# Altium PCB Board.PcbDoc (part 3 of 15) (continued)
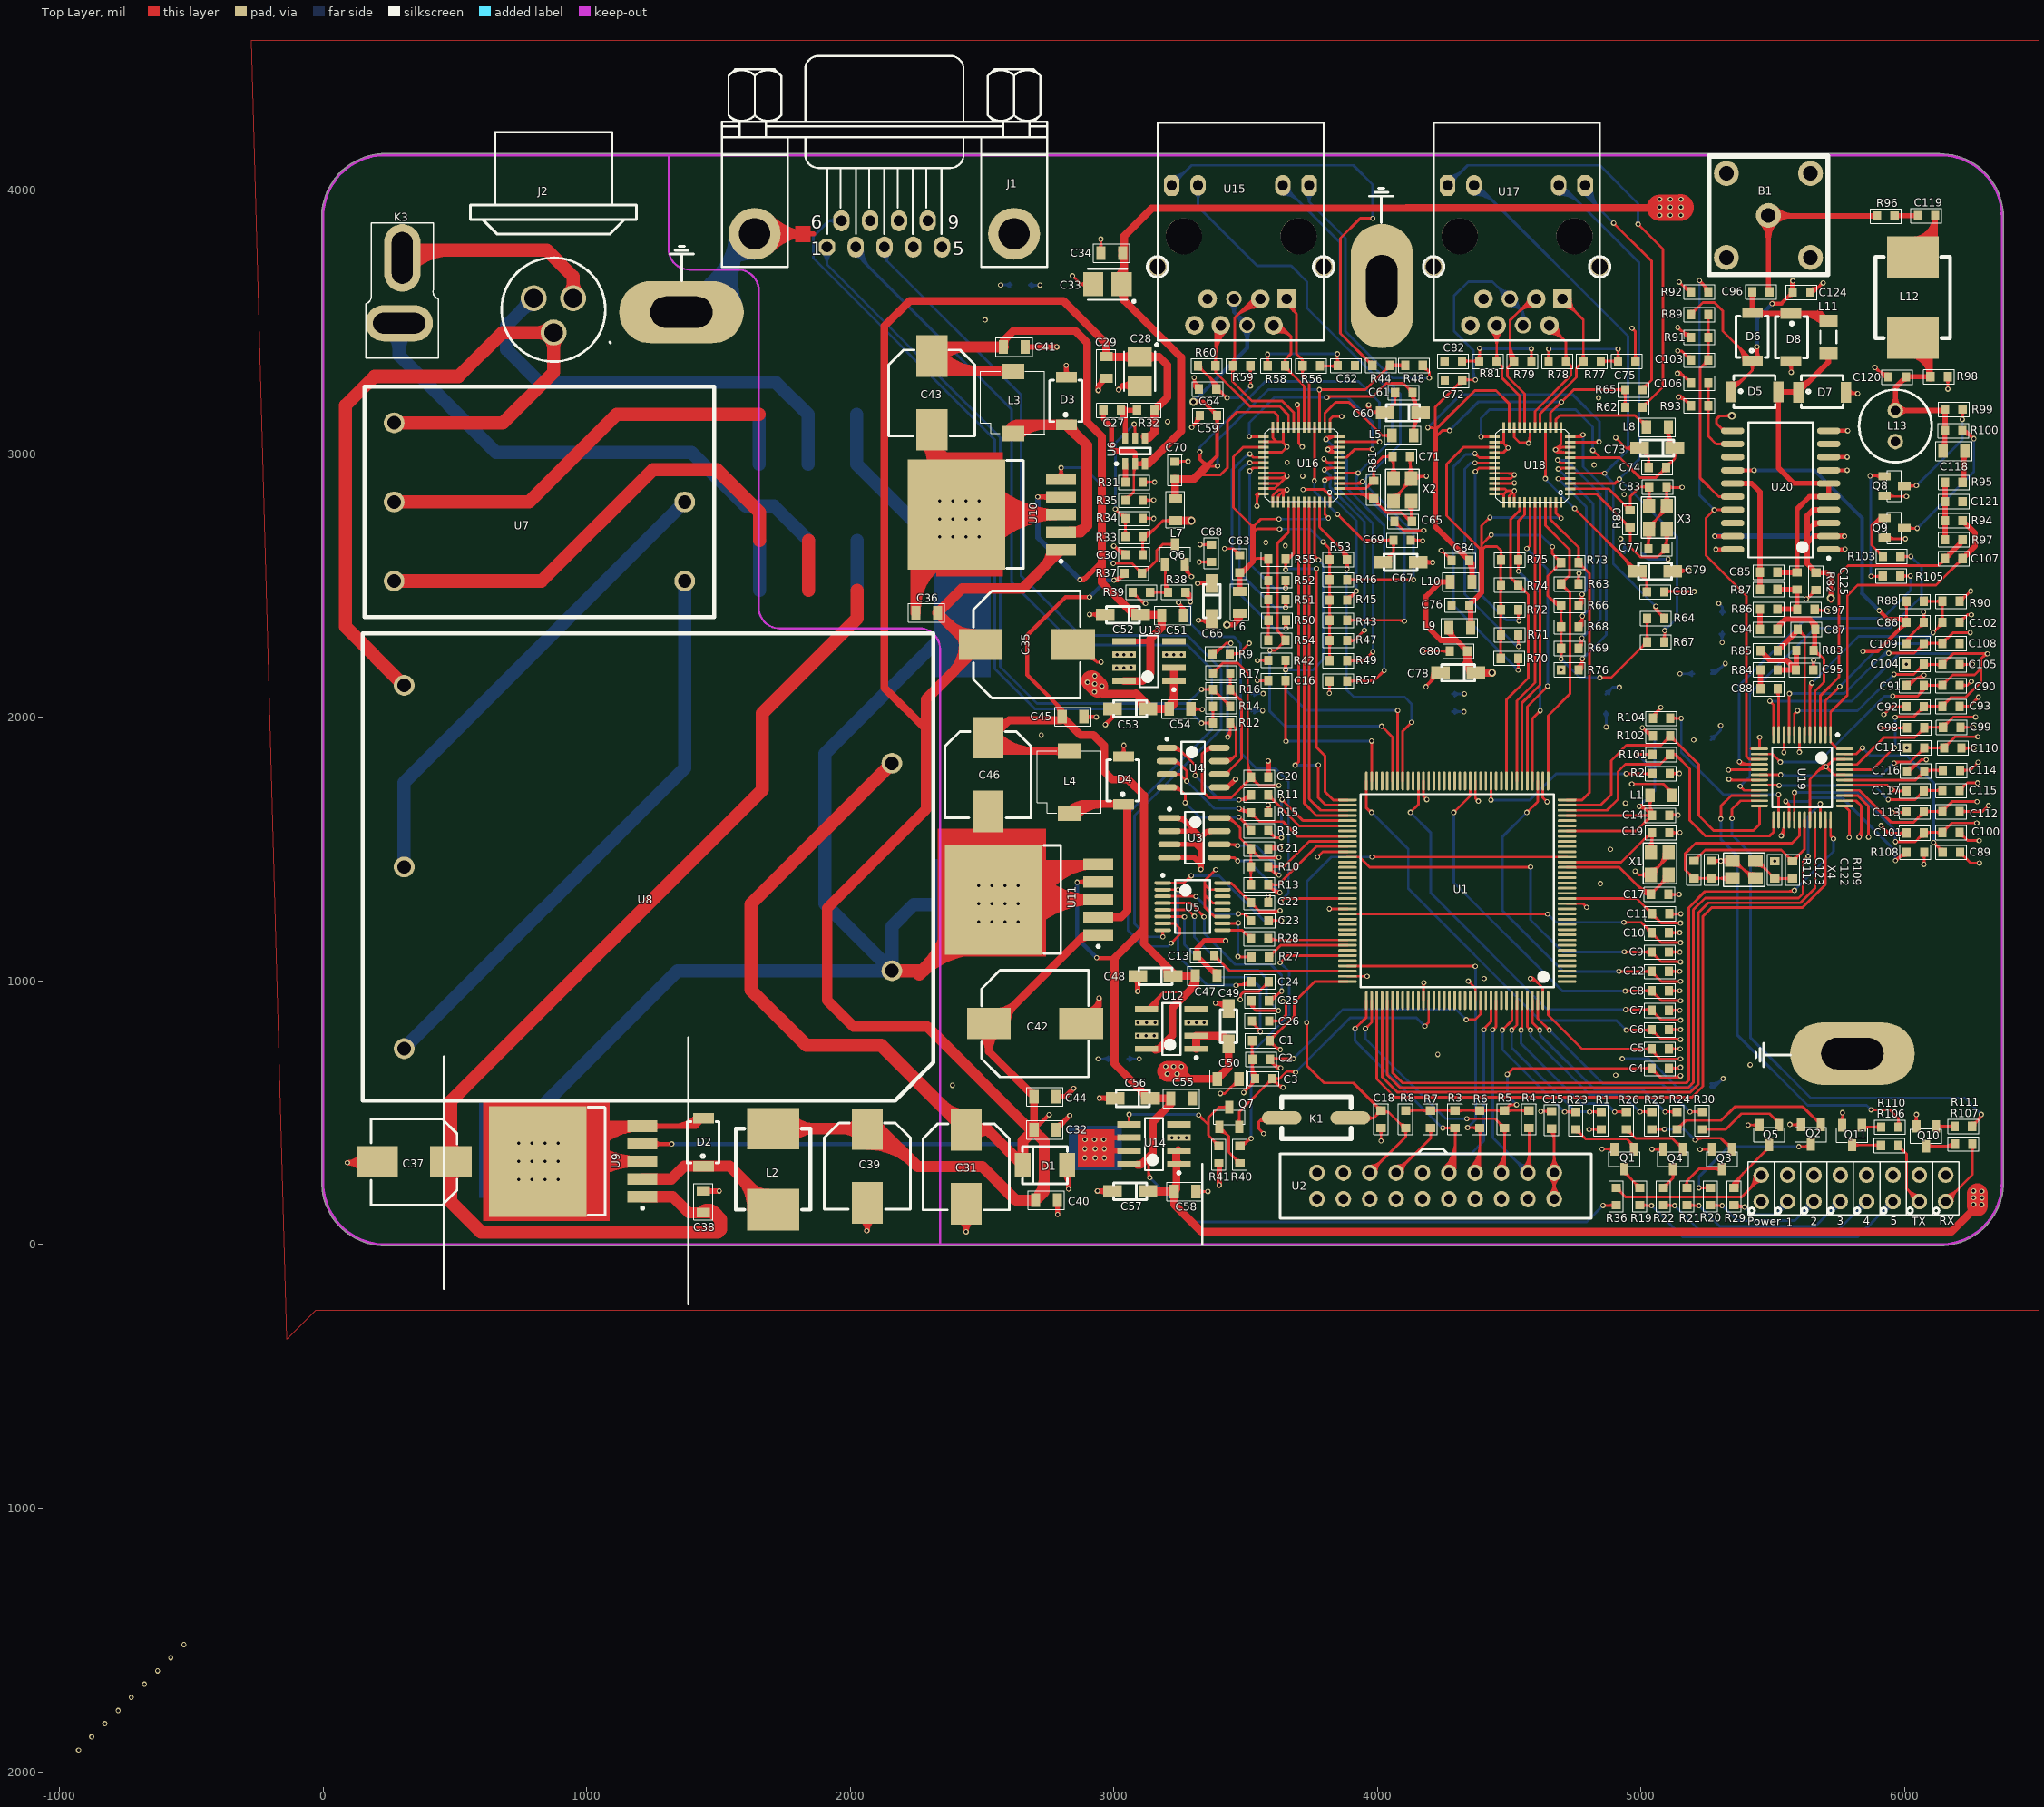
[diagram p0: Top Layer view]
## Nets (pads, with @x,y where several pads share a name; then routed paths per layer and width w, separated by ;. In a path a pad name is that pad's centre, name@x,y a point inside that pad or via, vN(x,y) a via of type N, cw(c..) or ccw(c..) an arc to the next point about the centre after c; other vN are vias at no path point) (continued)
  Top Layer w30: U6.3@3118,2962.22 3131.37,2962.22 3255.6,3086.45 3255.6,3365.45 3038.6,3582.45 3038.6,3826.45 3143.6,3931.45 v1@5070.6,3933.45 ; C33.2@3013.06,3666.87 ccw(c2951.41,3728.52) 3038.6,3728.52 ; C33.2@3013.06,3666.87 ccw(c2951.41,3728.52) 3038.6,3728.52 ; C33.2@3013.06,3666.87 ccw(c2951.41,3728.52) 3038.6,3728.52 ; C33.2@3018.3,3616.08 cw(c2999.34,3581.71) 3038.6,3581.71 ; C33.2@3018.3,3616.08 cw(c2999.34,3581.71) 3038.6,3581.71 ; C33.2@3018.3,3616.08 cw(c2999.34,3581.71) 3038.6,3581.71 ; C34.2@3031.35,3751.65 cw(c3013.87,3734.17) 3038.6,3734.17 ; C34.2@3031.35,3751.65 cw(c3013.87,3734.17) 3038.6,3734.17 ; C34.2@3031.35,3751.65 cw(c3013.87,3734.17) 3038.6,3734.17 ; C34.2@3031.35,3771.24 ccw(c3013.87,3788.73) 3038.6,3788.73 ; C34.2@3031.35,3771.24 ccw(c3013.87,3788.73) 3038.6,3788.73 ; C34.2@3031.35,3771.24 ccw(c3013.87,3788.73) 3038.6,3788.73 ; U6.3@3118,2967.89 ccw(c3118,3013.86) 3150.5,2981.35 ; U6.3@3118,2967.89 ccw(c3118,3013.86) 3150.5,2981.35 ; U6.3@3118,2967.89 ccw(c3118,3013.86) 3150.5,2981.35
  Top Layer w100: v1@5070.6,3933.45 5148.6,3933.45 v1@5149.6,3934.45
  Bottom Layer w10: C.1@5003.6,2610.73 cw(c5003.6,2580.03) 5025.31,2601.74 ; C.1@5003.6,2623.45 5026.6,2600.45 v1(5102.6,2600.45) ; C.1@5014.35,2621.48 ccw(c5035.54,2621.48) 5020.55,2606.49 ; v1@5099.06,2596.91 ccw(c5090.53,2588.38) 5090.53,2600.45 ccw(c5090.53,2612.52) v1@5099.06,2603.98 ; v1@5294.6,2427.45 cw(c5294.6,2415.38) 5303.13,2423.91 cw(c5311.67,2432.45) v1@5299.6,2432.45 ; v1(5294.6,2432.45) 5308.6,2418.45 C.1@5308.6,2390.45 ; C.1@5301,2398.05 ccw(c5282.65,2416.4) 5308.6,2416.4 ccw(c5334.55,2416.4) C.1@5316.2,2398.05
  Bottom Layer w15: v1(5439.6,3406.45) 5439.6,3511.45 v1(5497.6,3569.45)
  Bottom Layer w20: v1(5279.6,2687.45) v1(5771.6,2687.45)
  other v1: 5070.6,3905.45 5110.6,3905.45 5151.6,3905.45 5070.6,3935.45 5110.6,3935.45 5151.6,3935.45 5070.6,3965.45 5110.6,3965.45 5151.6,3965.45
  other v2: 5719.6,2452.45
AGC_0: R103.2 U19.21 | length 1809
  Top Layer w10: v1(5375.6,1738.45) 5390.81,1723.24 U19.21@5449.18,1723.24 ; R103.2@5983.6,2610.45 v1(6023.6,2610.45) ; v1@5375.6,1733.45 cw(c5375.6,1721.38) 5384.13,1729.91 ; v1@5375.6,1733.45 cw(c5375.6,1721.38) 5384.13,1729.91 ; v1@5375.6,1733.45 cw(c5375.6,1721.38) 5384.13,1729.91 ; v1@5380.6,1738.45 ccw(c5392.67,1738.45) 5384.13,1729.91 ; v1@5380.6,1738.45 ccw(c5392.67,1738.45) 5384.13,1729.91 ; v1@5380.6,1738.45 ccw(c5392.67,1738.45) 5384.13,1729.91 ; R103.2@5991.2,2602.85 cw(c6009.55,2584.5) 6009.55,2610.45 ; R103.2@5991.2,2602.85 cw(c6009.55,2584.5) 6009.55,2610.45 ; R103.2@5991.2,2602.85 cw(c6009.55,2584.5) 6009.55,2610.45 ; R103.2@5991.2,2618.05 ccw(c6009.55,2636.4) 6009.55,2610.45 ; R103.2@5991.2,2618.05 ccw(c6009.55,2636.4) 6009.55,2610.45 ; R103.2@5991.2,2618.05 ccw(c6009.55,2636.4) 6009.55,2610.45 ; 6011.53,2610.45 cw(c6011.53,2598.38) v1@6020.06,2606.91 ; 6011.53,2610.45 ccw(c6011.53,2622.52) v1@6020.06,2613.98 ; 6011.53,2610.45 cw(c6011.53,2598.38) v1@6020.06,2606.91 ; 6011.53,2610.45 ccw(c6011.53,2622.52) v1@6020.06,2613.98 ; 6011.53,2610.45 ccw(c6011.53,2622.52) v1@6020.06,2613.98 ; 6011.53,2610.45 cw(c6011.53,2598.38) v1@6020.06,2606.91
  Bottom Layer w10: v1(5375.6,1738.45) 5412.6,1775.45 5412.6,2090.45 5661.6,2339.45 5944.6,2339.45 6063.6,2458.45 6063.6,2570.45 v1(6023.6,2610.45) ; v1@5375.6,1743.45 ccw(c5375.6,1755.52) 5384.13,1746.98 ; v1@5375.6,1743.45 ccw(c5375.6,1755.52) 5384.13,1746.98 ; v1@5375.6,1743.45 ccw(c5375.6,1755.52) 5384.13,1746.98 ; v1@5380.6,1738.45 cw(c5392.67,1738.45) 5384.13,1746.98 ; v1@5380.6,1738.45 cw(c5392.67,1738.45) 5384.13,1746.98 ; v1@5380.6,1738.45 cw(c5392.67,1738.45) 5384.13,1746.98 ; v1@6023.6,2605.45 cw(c6023.6,2593.38) 6032.13,2601.91 ; v1@6023.6,2605.45 cw(c6023.6,2593.38) 6032.13,2601.91 ; v1@6023.6,2605.45 cw(c6023.6,2593.38) 6032.13,2601.91 ; v1@6028.6,2610.45 ccw(c6040.67,2610.45) 6032.13,2601.91 ; v1@6028.6,2610.45 ccw(c6040.67,2610.45) 6032.13,2601.91 ; v1@6028.6,2610.45 ccw(c6040.67,2610.45) 6032.13,2601.91
AGC_1: R105.2 U19.16 | length 1679.6
  Top Layer w10: v1@5372.6,1826.45 cw(c5372.6,1814.38) 5381.13,1822.91 cw(c5389.67,1831.45) v1@5377.6,1831.45 ; v1(5372.6,1831.45) 5382.39,1821.66 U19.16@5449.18,1821.66 ; R105.2@5982.6,2536.45 v1(6021.6,2536.45) ; R105.2@5990.2,2528.85 cw(c6008.55,2510.5) 6008.55,2536.45 ; R105.2@5990.2,2528.85 cw(c6008.55,2510.5) 6008.55,2536.45 ; R105.2@5990.2,2528.85 cw(c6008.55,2510.5) 6008.55,2536.45 ; R105.2@5990.2,2544.05 ccw(c6008.55,2562.4) 6008.55,2536.45 ; R105.2@5990.2,2544.05 ccw(c6008.55,2562.4) 6008.55,2536.45 ; R105.2@5990.2,2544.05 ccw(c6008.55,2562.4) 6008.55,2536.45 ; 6009.53,2536.45 cw(c6009.53,2524.38) v1@6018.06,2532.91 ; 6009.53,2536.45 ccw(c6009.53,2548.52) v1@6018.06,2539.98 ; 6009.53,2536.45 cw(c6009.53,2524.38) v1@6018.06,2532.91 ; 6009.53,2536.45 ccw(c6009.53,2548.52) v1@6018.06,2539.98 ; 6009.53,2536.45 ccw(c6009.53,2548.52) v1@6018.06,2539.98 ; 6009.53,2536.45 cw(c6009.53,2524.38) v1@6018.06,2532.91 ; v1@5369.06,1827.91 ccw(c5384.16,1843.01) 5384.16,1821.66 cw(c5384.16,1843.01) v1@5369.06,1827.91 ; v1@5376.13,1834.98 ccw(c5408.3,1867.15) 5408.3,1821.66 cw(c5408.3,1867.15) v1@5376.13,1834.98
  Bottom Layer w10: v1(5372.6,1831.45) 5372.6,2121.45 5627.6,2376.45 5916.6,2376.45 6021.6,2481.45 v1(6021.6,2536.45) ; v1@5369.06,1834.98 ccw(c5360.53,1843.52) 5372.6,1843.52 ; v1@5369.06,1834.98 ccw(c5360.53,1843.52) 5372.6,1843.52 ; v1@5369.06,1834.98 ccw(c5360.53,1843.52) 5372.6,1843.52 ; 5372.6,1843.52 ccw(c5384.67,1843.52) v1@5376.13,1834.98 ; 5372.6,1843.52 ccw(c5384.67,1843.52) v1@5376.13,1834.98 ; 5372.6,1843.52 ccw(c5384.67,1843.52) v1@5376.13,1834.98 ; v1@6018.06,2532.91 cw(c6009.53,2524.38) 6021.6,2524.38 ; v1@6018.06,2532.91 cw(c6009.53,2524.38) 6021.6,2524.38 ; v1@6018.06,2532.91 cw(c6009.53,2524.38) 6021.6,2524.38 ; 6021.6,2524.38 cw(c6033.67,2524.38) v1@6025.13,2532.91 ; 6021.6,2524.38 cw(c6033.67,2524.38) v1@6025.13,2532.91 ; 6021.6,2524.38 cw(c6033.67,2524.38) v1@6025.13,2532.91
ANE1: R50.2 U16.29 | length 1292.5
  Top Layer w10: v1(3515.6,2999.45) 3528.8,2986.25 U16.29@3567.6,2986.25 ; v1@3648.27,2339.95 ccw(c3635.45,2347.35) R50.2@3649.75,2351.18 ; v1@3650.1,2341.78 ccw(c3645.43,2349.87) 3654.45,2347.45 ; 3650.74,2347.45 ccw(c3659.77,2349.87) v1@3655.1,2341.78 ; v1(3652.6,2337.45) R50.2@3652.6,2368.45 ; R50.2@3655.45,2351.18 ccw(c3669.74,2347.35) v1@3656.93,2339.95 ; v1@3515.6,2994.45 cw(c3515.6,2982.38) 3524.13,2990.91 ; v1@3515.6,2994.45 cw(c3515.6,2982.38) 3524.13,2990.91 ; v1@3515.6,2994.45 cw(c3515.6,2982.38) 3524.13,2990.91 ; v1@3520.6,2999.45 ccw(c3532.67,2999.45) 3524.13,2990.91 ; v1@3520.6,2999.45 ccw(c3532.67,2999.45) 3524.13,2990.91 ; v1@3520.6,2999.45 ccw(c3532.67,2999.45) 3524.13,2990.91 ; R50.2@3645,2358.88 cw(c3626.65,2340.53) v1@3652.6,2340.53 ; R50.2@3645,2358.88 cw(c3626.65,2340.53) v1@3652.6,2340.53 ; R50.2@3645,2358.88 cw(c3626.65,2340.53) v1@3652.6,2340.53 ; v1@3649.06,2340.98 ccw(c3640.53,2349.52) 3652.6,2349.52 ; v1@3649.06,2340.98 ccw(c3640.53,2349.52) 3652.6,2349.52 ; v1@3649.06,2340.98 ccw(c3640.53,2349.52) 3652.6,2349.52 ; v1@3652.6,2340.53 cw(c3678.55,2340.53) R50.2@3660.2,2358.88 ; v1@3652.6,2340.53 cw(c3678.55,2340.53) R50.2@3660.2,2358.88 ; v1@3652.6,2340.53 cw(c3678.55,2340.53) R50.2@3660.2,2358.88 ; 3652.6,2349.52 ccw(c3664.67,2349.52) v1@3656.13,2340.98 ; 3652.6,2349.52 ccw(c3664.67,2349.52) v1@3656.13,2340.98 ; 3652.6,2349.52 ccw(c3664.67,2349.52) v1@3656.13,2340.98
  Bottom Layer w10: v1(3515.6,2999.45) 3508.6,2999.45 3447.6,2938.45 3447.6,2498.45 3608.6,2337.45 v1(3652.6,2337.45) ; 3495.11,2985.96 cw(c3515.6,2965.48) v1@3515.6,2994.45 ; 3495.11,2985.96 cw(c3515.6,2965.48) v1@3515.6,2994.45 ; 3495.11,2985.96 cw(c3515.6,2965.48) v1@3515.6,2994.45 ; 3640.53,2337.45 cw(c3640.53,2325.38) v1@3649.06,2333.91 ; 3640.53,2337.45 ccw(c3640.53,2349.52) v1@3649.06,2340.98 ; 3640.53,2337.45 cw(c3640.53,2325.38) v1@3649.06,2333.91 ; 3640.53,2337.45 ccw(c3640.53,2349.52) v1@3649.06,2340.98 ; 3640.53,2337.45 ccw(c3640.53,2349.52) v1@3649.06,2340.98 ; 3640.53,2337.45 cw(c3640.53,2325.38) v1@3649.06,2333.91
ANE2: R70.2 U18.29 | length 1454.7
  Top Layer w10: v1(4369.6,3001.45) 4385.8,2985.25 U18.29@4443.6,2985.25 ; v1(4533.6,2179.45) R70.2@4533.6,2224.45 ; v1@4369.6,2996.45 cw(c4369.6,2984.38) 4378.13,2992.91 ; v1@4369.6,2996.45 cw(c4369.6,2984.38) 4378.13,2992.91 ; v1@4369.6,2996.45 cw(c4369.6,2984.38) 4378.13,2992.91 ; v1@4374.6,3001.45 ccw(c4386.67,3001.45) 4378.13,2992.91 ; v1@4374.6,3001.45 ccw(c4386.67,3001.45) 4378.13,2992.91 ; v1@4374.6,3001.45 ccw(c4386.67,3001.45) 4378.13,2992.91 ; R70.2@4526,2214.88 cw(c4507.65,2196.53) 4533.6,2196.53 ; R70.2@4526,2214.88 cw(c4507.65,2196.53) 4533.6,2196.53 ; R70.2@4526,2214.88 cw(c4507.65,2196.53) 4533.6,2196.53 ; v1@4530.06,2182.98 ccw(c4521.53,2191.52) 4533.6,2191.52 ; v1@4530.06,2182.98 ccw(c4521.53,2191.52) 4533.6,2191.52 ; v1@4530.06,2182.98 ccw(c4521.53,2191.52) 4533.6,2191.52 ; 4533.6,2191.52 ccw(c4545.67,2191.52) v1@4537.13,2182.98 ; 4533.6,2191.52 ccw(c4545.67,2191.52) v1@4537.13,2182.98 ; 4533.6,2191.52 ccw(c4545.67,2191.52) v1@4537.13,2182.98 ; 4533.6,2196.53 cw(c4559.55,2196.53) R70.2@4541.2,2214.88 ; 4533.6,2196.53 cw(c4559.55,2196.53) R70.2@4541.2,2214.88 ; 4533.6,2196.53 cw(c4559.55,2196.53) R70.2@4541.2,2214.88
  Bottom Layer w10: v1(4369.6,3001.45) 4365.6,2997.45 4334.14,2997.45 4288.6,2951.9 4288.6,2424.45 v1(4533.6,2179.45) ; 4347.87,2997.45 ccw(c4347.87,3023.18) v1@4366.06,3004.98 ; 4347.87,2997.45 ccw(c4347.87,3023.18) v1@4366.06,3004.98 ; 4347.87,2997.45 ccw(c4347.87,3023.18) v1@4366.06,3004.98 ; 4525.06,2187.98 cw(c4516.53,2179.45) v1@4528.6,2179.45 ; 4525.06,2187.98 ccw(c4533.6,2196.52) v1@4533.6,2184.45 ; 4525.06,2187.98 cw(c4516.53,2179.45) v1@4528.6,2179.45 ; 4525.06,2187.98 ccw(c4533.6,2196.52) v1@4533.6,2184.45 ; 4525.06,2187.98 ccw(c4533.6,2196.52) v1@4533.6,2184.45 ; 4525.06,2187.98 cw(c4516.53,2179.45) v1@4528.6,2179.45
BASE: C102.2 R88.1 R90.2 U19.2 U19.5 | length 2522.1
  Top Layer w10: U19.5@5640.13,1933.87 5640.13,2122.98 v1(5647.6,2130.45) ; U19.2@5699.18,1933.87 5699.18,2063.03 v1(5753.6,2117.45) ; R88.1@6072.45,2440.45 R90.2@6142.6,2440.45 C102.2@6142.6,2360.72 6142.6,2356.45 v1(6107.6,2321.45) ; 5745.06,2108.91 cw(c5753.6,2100.38) v1@5753.6,2112.45 ; 5745.06,2108.91 ccw(c5736.53,2117.45) v1@5748.6,2117.45 ; 5745.06,2108.91 cw(c5753.6,2100.38) v1@5753.6,2112.45 ; 5745.06,2108.91 ccw(c5736.53,2117.45) v1@5748.6,2117.45 ; 5745.06,2108.91 ccw(c5736.53,2117.45) v1@5748.6,2117.45 ; 5745.06,2108.91 cw(c5753.6,2100.38) v1@5753.6,2112.45 ; R88.1@6080.05,2432.85 cw(c6098.4,2414.5) 6098.4,2440.45 ; R88.1@6080.05,2432.85 cw(c6098.4,2414.5) 6098.4,2440.45 ; R88.1@6080.05,2432.85 cw(c6098.4,2414.5) 6098.4,2440.45 ; R88.1@6080.05,2448.05 ccw(c6098.4,2466.4) 6098.4,2440.45 ; R88.1@6080.05,2448.05 ccw(c6098.4,2466.4) 6098.4,2440.45 ; R88.1@6080.05,2448.05 ccw(c6098.4,2466.4) 6098.4,2440.45 ; v1@6107.6,2326.45 ccw(c6107.6,2338.52) 6116.13,2329.98 ; v1@6107.6,2326.45 ccw(c6107.6,2338.52) 6116.13,2329.98 ; v1@6107.6,2326.45 ccw(c6107.6,2338.52) 6116.13,2329.98 ; v1@6112.6,2321.45 cw(c6124.67,2321.45) 6116.13,2329.98 ; v1@6112.6,2321.45 cw(c6124.67,2321.45) 6116.13,2329.98 ; v1@6112.6,2321.45 cw(c6124.67,2321.45) 6116.13,2329.98 ; 6116.65,2440.45 cw(c6116.65,2414.5) R90.2@6135,2432.85 ; 6116.65,2440.45 ccw(c6116.65,2466.39) R90.2@6135,2448.05 ; 6116.65,2440.45 cw(c6116.65,2414.5) R90.2@6135,2432.85 ; 6116.65,2440.45 ccw(c6116.65,2466.39) R90.2@6135,2448.05 ; 6116.65,2440.45 ccw(c6116.65,2466.39) R90.2@6135,2448.05 ; 6116.65,2440.45 cw(c6116.65,2414.5) R90.2@6135,2432.85 ; 6122.62,2336.47 ccw(c6100.34,2358.75) C102.2@6131.85,2358.75 ; 6122.62,2336.47 ccw(c6100.34,2358.75) C102.2@6131.85,2358.75 ; 6122.62,2336.47 ccw(c6100.34,2358.75) C102.2@6131.85,2358.75 ; 6128.18,2342.03 cw(c6142.6,2327.61) C102.2@6142.6,2348 ; 6128.18,2342.03 cw(c6142.6,2327.61) C102.2@6142.6,2348 ; 6128.18,2342.03 cw(c6142.6,2327.61) C102.2@6142.6,2348 ; C102.2@6135,2370.29 ccw(c6116.65,2388.64) 6142.6,2388.64 ; C102.2@6135,2370.29 ccw(c6116.65,2388.64) 6142.6,2388.64 ; C102.2@6135,2370.29 ccw(c6116.65,2388.64) 6142.6,2388.64 ; R90.2@6135,2430.88 cw(c6116.65,2412.53) 6142.6,2412.53 ; R90.2@6135,2430.88 cw(c6116.65,2412.53) 6142.6,2412.53 ; R90.2@6135,2430.88 cw(c6116.65,2412.53) 6142.6,2412.53 ; 6142.6,2388.64 ccw(c6168.55,2388.64) C102.2@6150.2,2370.29 ; 6142.6,2388.64 ccw(c6168.55,2388.64) C102.2@6150.2,2370.29 ; 6142.6,2388.64 ccw(c6168.55,2388.64) C102.2@6150.2,2370.29 ; 6142.6,2412.53 cw(c6168.55,2412.53) R90.2@6150.2,2430.88 ; 6142.6,2412.53 cw(c6168.55,2412.53) R90.2@6150.2,2430.88 ; 6142.6,2412.53 cw(c6168.55,2412.53) R90.2@6150.2,2430.88 ; 5640.13,2100.34 cw(c5677.71,2100.34) 5651.13,2126.91 ccw(c5677.71,2100.34) 5640.13,2100.34
  Bottom Layer w10: v1(5647.6,2130.45) 5824.6,2307.45 6093.6,2307.45 ; v1(5753.6,2117.45) 5915.6,2279.45 6065.6,2279.45 v1(6107.6,2321.45) ; v1@5647.6,2135.45 ccw(c5647.6,2147.52) 5656.13,2138.98 ; v1@5647.6,2135.45 ccw(c5647.6,2147.52) 5656.13,2138.98 ; v1@5647.6,2135.45 ccw(c5647.6,2147.52) 5656.13,2138.98 ; v1@5652.6,2130.45 cw(c5664.67,2130.45) 5656.13,2138.98 ; v1@5652.6,2130.45 cw(c5664.67,2130.45) 5656.13,2138.98 ; v1@5652.6,2130.45 cw(c5664.67,2130.45) 5656.13,2138.98 ; v1@5753.6,2122.45 ccw(c5753.6,2134.52) 5762.13,2125.98 ; v1@5753.6,2122.45 ccw(c5753.6,2134.52) 5762.13,2125.98 ; v1@5753.6,2122.45 ccw(c5753.6,2134.52) 5762.13,2125.98 ; v1@5758.6,2117.45 cw(c5770.67,2117.45) 5762.13,2125.98 ; v1@5758.6,2117.45 cw(c5770.67,2117.45) 5762.13,2125.98 ; v1@5758.6,2117.45 cw(c5770.67,2117.45) 5762.13,2125.98 ; 6099.06,2312.91 cw(c6107.6,2304.38) v1@6107.6,2316.45 ; 6099.06,2312.91 ccw(c6090.53,2321.45) v1@6102.6,2321.45 ; 6099.06,2312.91 cw(c6107.6,2304.38) v1@6107.6,2316.45 ; 6099.06,2312.91 ccw(c6090.53,2321.45) v1@6102.6,2321.45 ; 6099.06,2312.91 ccw(c6090.53,2321.45) v1@6102.6,2321.45 ; 6099.06,2312.91 cw(c6107.6,2304.38) v1@6107.6,2316.45
BOOT0: R1.2 U1.138 | length 977.5
  Top Layer w10: v1(4509.2,813.45) 4528.98,833.23 U1.138@4528.98,926.11 ; v1(4804.6,503.45) R1.2@4848.6,503.45 ; v1@4509.2,818.45 ccw(c4509.2,830.52) 4517.73,821.98 ; v1@4509.2,818.45 ccw(c4509.2,830.52) 4517.73,821.98 ; v1@4509.2,818.45 ccw(c4509.2,830.52) 4517.73,821.98 ; v1@4514.2,813.45 cw(c4526.27,813.45) 4517.73,821.98 ; v1@4514.2,813.45 cw(c4526.27,813.45) 4517.73,821.98 ; v1@4514.2,813.45 cw(c4526.27,813.45) 4517.73,821.98 ; v1@4808.13,499.91 cw(c4816.67,491.38) 4816.67,503.45 ; v1@4808.13,499.91 cw(c4816.67,491.38) 4816.67,503.45 ; v1@4808.13,499.91 cw(c4816.67,491.38) 4816.67,503.45 ; v1@4808.13,506.98 ccw(c4816.67,515.52) 4816.67,503.45 ; v1@4808.13,506.98 ccw(c4816.67,515.52) 4816.67,503.45 ; v1@4808.13,506.98 ccw(c4816.67,515.52) 4816.67,503.45 ; 4820.68,503.45 cw(c4820.68,477.5) R1.2@4839.03,495.85 ; 4820.68,503.45 ccw(c4820.68,529.4) R1.2@4839.03,511.05 ; 4820.68,503.45 cw(c4820.68,477.5) R1.2@4839.03,495.85 ; 4820.68,503.45 ccw(c4820.68,529.4) R1.2@4839.03,511.05 ; 4820.68,503.45 ccw(c4820.68,529.4) R1.2@4839.03,511.05 ; 4820.68,503.45 cw(c4820.68,477.5) R1.2@4839.03,495.85
  Bottom Layer w10: v1(4509.2,813.45) 4509.2,746.85 4752.6,503.45 v1(4804.6,503.45) ; v1@4505.66,809.91 cw(c4497.13,801.38) 4509.2,801.38 ; v1@4505.66,809.91 cw(c4497.13,801.38) 4509.2,801.38 ; v1@4505.66,809.91 cw(c4497.13,801.38) 4509.2,801.38 ; 4509.2,801.38 cw(c4521.27,801.38) v1@4512.73,809.91 ; 4509.2,801.38 cw(c4521.27,801.38) v1@4512.73,809.91 ; 4509.2,801.38 cw(c4521.27,801.38) v1@4512.73,809.91 ; 4792.53,503.45 cw(c4792.53,491.38) v1@4801.06,499.91 ; 4792.53,503.45 ccw(c4792.53,515.52) v1@4801.06,506.98 ; 4792.53,503.45 cw(c4792.53,491.38) v1@4801.06,499.91 ; 4792.53,503.45 ccw(c4792.53,515.52) v1@4801.06,506.98 ; 4792.53,503.45 ccw(c4792.53,515.52) v1@4801.06,506.98 ; 4792.53,503.45 cw(c4792.53,491.38) v1@4801.06,499.91
BOOT1: R2.2 U1.48 | length 1076
  Top Layer w10: U1.48@4430.55,1758.79 U1.48@4430.55,1758.79 v1(4430.6,1686.45) ; v1(4943.6,1786.45) 5041.6,1786.45 R2.2@5042.6,1787.45 ; v1@4427.06,1689.98 ccw(c4418.53,1698.52) 4430.6,1698.52 ; v1@4427.06,1689.98 ccw(c4418.53,1698.52) 4430.6,1698.52 ; v1@4427.06,1689.98 ccw(c4418.53,1698.52) 4430.6,1698.52 ; 4430.6,1698.52 ccw(c4442.67,1698.52) v1@4434.13,1689.98 ; 4430.6,1698.52 ccw(c4442.67,1698.52) v1@4434.13,1689.98 ; 4430.6,1698.52 ccw(c4442.67,1698.52) v1@4434.13,1689.98 ; v1@4947.13,1782.91 cw(c4955.67,1774.38) 4955.67,1786.45 ; v1@4947.13,1782.91 cw(c4955.67,1774.38) 4955.67,1786.45 ; v1@4947.13,1782.91 cw(c4955.67,1774.38) 4955.67,1786.45 ; v1@4947.13,1789.98 ccw(c4955.67,1798.52) 4955.67,1786.45 ; v1@4947.13,1789.98 ccw(c4955.67,1798.52) 4955.67,1786.45 ; v1@4947.13,1789.98 ccw(c4955.67,1798.52) 4955.67,1786.45 ; 5014.31,1786.45 cw(c5014.31,1757.19) R2.2@5035,1777.88 ; 5014.31,1786.45 cw(c5014.31,1757.19) R2.2@5035,1777.88 ; 5014.31,1786.45 cw(c5014.31,1757.19) R2.2@5035,1777.88 ; 5018.99,1786.45 ccw(c5018.99,1809.09) R2.2@5035,1793.08 ; 5018.99,1786.45 ccw(c5018.99,1809.09) R2.2@5035,1793.08 ; 5018.99,1786.45 ccw(c5018.99,1809.09) R2.2@5035,1793.08
  Bottom Layer w10: v1(4430.6,1686.45) 4577.6,1686.45 4677.6,1786.45 v1(4943.6,1786.45) ; v1@4434.13,1682.91 cw(c4442.67,1674.38) 4442.67,1686.45 ; v1@4434.13,1682.91 cw(c4442.67,1674.38) 4442.67,1686.45 ; v1@4434.13,1682.91 cw(c4442.67,1674.38) 4442.67,1686.45 ; v1@4434.13,1689.98 ccw(c4442.67,1698.52) 4442.67,1686.45 ; v1@4434.13,1689.98 ccw(c4442.67,1698.52) 4442.67,1686.45 ; v1@4434.13,1689.98 ccw(c4442.67,1698.52) 4442.67,1686.45 ; 4931.53,1786.45 cw(c4931.53,1774.38) v1@4940.06,1782.91 ; 4931.53,1786.45 ccw(c4931.53,1798.52) v1@4940.06,1789.98 ; 4931.53,1786.45 cw(c4931.53,1774.38) v1@4940.06,1782.91 ; 4931.53,1786.45 ccw(c4931.53,1798.52) v1@4940.06,1789.98 ; 4931.53,1786.45 ccw(c4931.53,1798.52) v1@4940.06,1789.98 ; 4931.53,1786.45 cw(c4931.53,1774.38) v1@4940.06,1782.91
BWSEL: R104.1 U19.26 | length 1052.7
  Top Layer w10: R104.1@5110.6,1996.45 v1(5152.6,1996.45) ; v1(5521.6,1707.45) 5522.02,1707.03 U19.26@5522.02,1611.03 ; R104.1@5118.2,1988.85 cw(c5136.55,1970.5) 5136.55,1996.45 ; R104.1@5118.2,1988.85 cw(c5136.55,1970.5) 5136.55,1996.45 ; R104.1@5118.2,1988.85 cw(c5136.55,1970.5) 5136.55,1996.45 ; R104.1@5118.2,2004.05 ccw(c5136.55,2022.4) 5136.55,1996.45 ; R104.1@5118.2,2004.05 ccw(c5136.55,2022.4) 5136.55,1996.45 ; R104.1@5118.2,2004.05 ccw(c5136.55,2022.4) 5136.55,1996.45 ; 5140.53,1996.45 cw(c5140.53,1984.38) v1@5149.06,1992.91 ; 5140.53,1996.45 ccw(c5140.53,2008.52) v1@5149.06,1999.98 ; 5140.53,1996.45 cw(c5140.53,1984.38) v1@5149.06,1992.91 ; 5140.53,1996.45 ccw(c5140.53,2008.52) v1@5149.06,1999.98 ; 5140.53,1996.45 ccw(c5140.53,2008.52) v1@5149.06,1999.98 ; 5140.53,1996.45 cw(c5140.53,1984.38) v1@5149.06,1992.91 ; v1@5518.06,1703.91 cw(c5508.52,1694.37) 5522.02,1694.37 ; v1@5518.06,1703.91 cw(c5508.52,1694.37) 5522.02,1694.37 ; v1@5518.06,1703.91 cw(c5508.52,1694.37) 5522.02,1694.37 ; 5522.02,1696.39 cw(c5532.66,1696.39) v1@5525.13,1703.91 ; 5522.02,1696.39 cw(c5532.66,1696.39) v1@5525.13,1703.91 ; 5522.02,1696.39 cw(c5532.66,1696.39) v1@5525.13,1703.91
  Bottom Layer w10: v1(5152.6,1996.45) 5152.6,1867.45 5312.6,1707.45 v1(5521.6,1707.45) ; v1@5149.06,1992.91 cw(c5140.53,1984.38) 5152.6,1984.38 ; v1@5149.06,1992.91 cw(c5140.53,1984.38) 5152.6,1984.38 ; v1@5149.06,1992.91 cw(c5140.53,1984.38) 5152.6,1984.38 ; 5152.6,1984.38 cw(c5164.67,1984.38) v1@5156.13,1992.91 ; 5152.6,1984.38 cw(c5164.67,1984.38) v1@5156.13,1992.91 ; 5152.6,1984.38 cw(c5164.67,1984.38) v1@5156.13,1992.91 ; 5509.53,1707.45 cw(c5509.53,1695.38) v1@5518.06,1703.91 ; 5509.53,1707.45 ccw(c5509.53,1719.52) v1@5518.06,1710.98 ; 5509.53,1707.45 cw(c5509.53,1695.38) v1@5518.06,1703.91 ; 5509.53,1707.45 ccw(c5509.53,1719.52) v1@5518.06,1710.98 ; 5509.53,1707.45 ccw(c5509.53,1719.52) v1@5518.06,1710.98 ; 5509.53,1707.45 cw(c5509.53,1695.38) v1@5518.06,1703.91
DAC_OUT: C88.2 U19.11 | length 298.3
  Top Layer w10: C88.2@5518.6,2108.45 5522.02,2105.03 U19.11@5522.02,1933.87 ; C88.2@5511,2098.88 cw(c5484.4,2072.28) 5522.02,2072.28 ; C88.2@5511,2098.88 cw(c5484.4,2072.28) 5522.02,2072.28 ; C88.2@5511,2098.88 cw(c5484.4,2072.28) 5522.02,2072.28 ; 5522.02,2088.78 cw(c5536.3,2088.78) C88.2@5526.2,2098.88 ; 5522.02,2088.78 cw(c5536.3,2088.78) C88.2@5526.2,2098.88 ; 5522.02,2088.78 cw(c5536.3,2088.78) C88.2@5526.2,2098.88
DUP1: R51.2 U16.30 | length 1142.4
  Top Layer w10: v1(3515.6,2966.45) 3515.71,2966.56 U16.30@3567.6,2966.56 ; v1@3647.27,2418.95 ccw(c3634.97,2426.05) R51.2@3648.69,2429.73 ; v1@3649.1,2420.78 ccw(c3644.13,2429.38) 3653.73,2426.81 ; 3649.47,2426.81 ccw(c3659.07,2429.38) v1@3654.1,2420.78 ; v1(3651.6,2416.45) R51.2@3651.6,2446.78 ; R51.2@3654.51,2429.73 ccw(c3668.23,2426.05) v1@3655.93,2418.95 ; R51.2@3644,2437.21 cw(c3625.65,2418.87) v1@3651.6,2418.87 ; R51.2@3644,2437.21 cw(c3625.65,2418.87) v1@3651.6,2418.87 ; R51.2@3644,2437.21 cw(c3625.65,2418.87) v1@3651.6,2418.87 ; v1@3648.06,2419.98 ccw(c3639.53,2428.52) 3651.6,2428.52 ; v1@3648.06,2419.98 ccw(c3639.53,2428.52) 3651.6,2428.52 ; v1@3648.06,2419.98 ccw(c3639.53,2428.52) 3651.6,2428.52 ; v1@3651.6,2418.87 cw(c3677.55,2418.87) R51.2@3659.2,2437.21 ; v1@3651.6,2418.87 cw(c3677.55,2418.87) R51.2@3659.2,2437.21 ; v1@3651.6,2418.87 cw(c3677.55,2418.87) R51.2@3659.2,2437.21 ; 3651.6,2428.52 ccw(c3663.67,2428.52) v1@3655.13,2419.98 ; 3651.6,2428.52 ccw(c3663.67,2428.52) v1@3655.13,2419.98 ; 3651.6,2428.52 ccw(c3663.67,2428.52) v1@3655.13,2419.98 ; v1@3519.13,2962.91 cw(c3527.95,2954.1) 3527.95,2966.56 ccw(c3527.95,2954.1) v1@3519.13,2962.91 ; v1@3519.13,2969.98 ccw(c3527.39,2978.24) 3527.39,2966.56 cw(c3527.39,2978.24) v1@3519.13,2969.98
  Bottom Layer w10: v1(3515.6,2966.45) 3506.6,2966.45 3476.6,2936.45 3476.6,2549.45 3609.6,2416.45 v1(3651.6,2416.45) ; 3491.7,2951.55 cw(c3515.6,2927.65) v1@3515.6,2961.45 ; 3491.7,2951.55 cw(c3515.6,2927.65) v1@3515.6,2961.45 ; 3491.7,2951.55 cw(c3515.6,2927.65) v1@3515.6,2961.45 ; 3639.53,2416.45 cw(c3639.53,2404.38) v1@3648.06,2412.91 ; 3639.53,2416.45 ccw(c3639.53,2428.52) v1@3648.06,2419.98 ; 3639.53,2416.45 cw(c3639.53,2404.38) v1@3648.06,2412.91 ; 3639.53,2416.45 ccw(c3639.53,2428.52) v1@3648.06,2419.98 ; 3639.53,2416.45 ccw(c3639.53,2428.52) v1@3648.06,2419.98 ; 3639.53,2416.45 cw(c3639.53,2404.38) v1@3648.06,2412.91
DUP2: R71.2 U18.30 | length 1250.6
  Top Layer w10: v1(4369.6,2965.45) 4369.71,2965.56 U18.30@4443.6,2965.56 ; R71.2@4534.6,2313.2 4534.6,2270.45 v1(4535.6,2269.45) ; R71.2@4527,2303.63 cw(c4508.65,2285.28) 4534.6,2285.28 ; R71.2@4527,2303.63 cw(c4508.65,2285.28) 4534.6,2285.28 ; R71.2@4527,2303.63 cw(c4508.65,2285.28) 4534.6,2285.28 ; 4534.6,2283.93 ccw(c4550.08,2283.93) v1@4539.13,2272.98 ; 4534.6,2283.93 ccw(c4550.08,2283.93) v1@4539.13,2272.98 ; 4534.6,2283.93 ccw(c4550.08,2283.93) v1@4539.13,2272.98 ; 4534.6,2285.28 cw(c4560.55,2285.28) R71.2@4542.2,2303.63 ; 4534.6,2285.28 cw(c4560.55,2285.28) R71.2@4542.2,2303.63 ; 4534.6,2285.28 cw(c4560.55,2285.28) R71.2@4542.2,2303.63 ; v1@4373.13,2961.91 cw(c4381.95,2953.1) 4381.95,2965.56 ccw(c4381.95,2953.1) v1@4373.13,2961.91 ; v1@4373.13,2968.98 ccw(c4381.39,2977.24) 4381.39,2965.56 cw(c4381.39,2977.24) v1@4373.13,2968.98
  Bottom Layer w10: v1(4369.6,2965.45) 4353.6,2965.45 4330.6,2942.45 4330.6,2467.45 4528.6,2269.45 v1(4535.6,2269.45) ; 4357.53,2965.45 cw(c4357.53,2953.38) v1@4366.06,2961.91 ; 4357.53,2965.45 ccw(c4357.53,2977.52) v1@4366.06,2968.98 ; 4357.53,2965.45 cw(c4357.53,2953.38) v1@4366.06,2961.91 ; 4357.53,2965.45 ccw(c4357.53,2977.52) v1@4366.06,2968.98 ; 4357.53,2965.45 ccw(c4357.53,2977.52) v1@4366.06,2968.98 ; 4357.53,2965.45 cw(c4357.53,2953.38) v1@4366.06,2961.91 ; 4515.11,2282.93 ccw(c4535.6,2303.42) v1@4535.6,2274.45 ; 4515.11,2282.93 ccw(c4535.6,2303.42) v1@4535.6,2274.45 ; 4515.11,2282.93 ccw(c4535.6,2303.42) v1@4535.6,2274.45
GND: B1.1 C1.1 C2.1 C3.1 C4.1 C5.1 C6.1 C7.1 C8.1 C9.1 C10.1 C11.1 C12.1 C13.1 C14.1 C15.1 C16.1 C17.1 C18.1 C19.1 C20.2 C21.1 C22.1 C24.2 C26.2 C28.1 C29.1 C30.1 C31.1 C32.1 C33.1 C34.1 C35.1 C36.1 C37.1 C38.1 C39.1 C40.1 C41.1 C42.1 C43.1 C44.1 C45.1 C46.1 C47.2 C48.1 C49.1 C50.2 C51.2 C52.1 C53.1 C54.2 C55.2 C56.1 C57.1 C58.2 C59.2 C60.1 C61.1 C62.2 C63.2 C64.2 C65.1 C66.1 C67.1 C68.1 C69.1 C70.2 C71.1 C72.2 C73.1 C74.1 C75.2 C76.2 C77.1 C78.1 C79.1 C80.1 C81.1 C82.2 C83.1 C84.2 C86.1 C89.1 C90.1 C91.1 C92.1 C93.1 C95.1 C97.2 C98.1 C99.1 C100.1 C101.1 C102.1 C103.2 C104.1 C105.1 C106.1 C108.1 C109.1 C110.1 C111.1 C112.1 C113.1 C114.1 C115.1 C116.1 C117.1 C120.2 C121.2 C122.2 C123.2 C124.1 C125.1 D1.1 D2.1 D3.1 D4.1 D7.1 D8.1 J1.0 J1.5 J1.10 K1.1 L13.1 pad.0 Power.2 Q1.1 Q2.1 Q3.1 Q4.1 Q5.1 Q6.1 Q8.1 Q9.1 Q10.1 Q11.1 R1.1 R2.1 R9.2 R15.1 R31.1 R34.1 R35.1 R39.1 R41.1 R42.1 R57.1 R63.1 R76.1 R90.1 R91.1 R92.1 R93.1 R98.1 R104.2 R108.2 U1.16 U1.38 U1.51 U1.61 U1.83 U1.94 U1.107 U1.120 U1.130 U1.143 U2.4 U2.6 U2.8 U2.10 U2.12 U2.14 U2.16 U2.18 U2.20 U3.1 U3.2 U3.3 U3.4 U3.7 U4.5 U5.11 U5.13 U5.15 U8.8 U9.3 U9.5 U9.6 U10.3 U10.6 U11.3 U11.5 U11.6 U12.3 U12.6 U12.7 U13.3 U13.6 U13.7 U14.3 U14.6 U14.7 U15.8 U16.9 U16.10 U16.13 U16.19 U16.22 U16.24 U16.26 U16.28 U16.32 U16.33 U16.34 U16.35 U16.36 U16.37 U16.38 U16.39 U16.48 U17.8 U18.9 U18.10 U18.13 U18.19 U18.22 U18.24 U18.26 U18.28 U18.32 U18.33 U18.34 U18.35 U18.36 U18.37 U18.38 U18.39 U18.48 U19.7 U19.10 U19.13 U19.17 U19.19 U19.27 U19.32 U19.37 U19.38 U19.39 U19.41 U19.43 U19.46 U20.1 X1.2 X1.4 X2.2 X2.4 X3.2 X3.4 X4.2 X4.4 | length 101952.5